# Allegro board RK_EVB1_RK3576_LP4XD200P132SD6_V12_20240530YWQ.brd (continued)
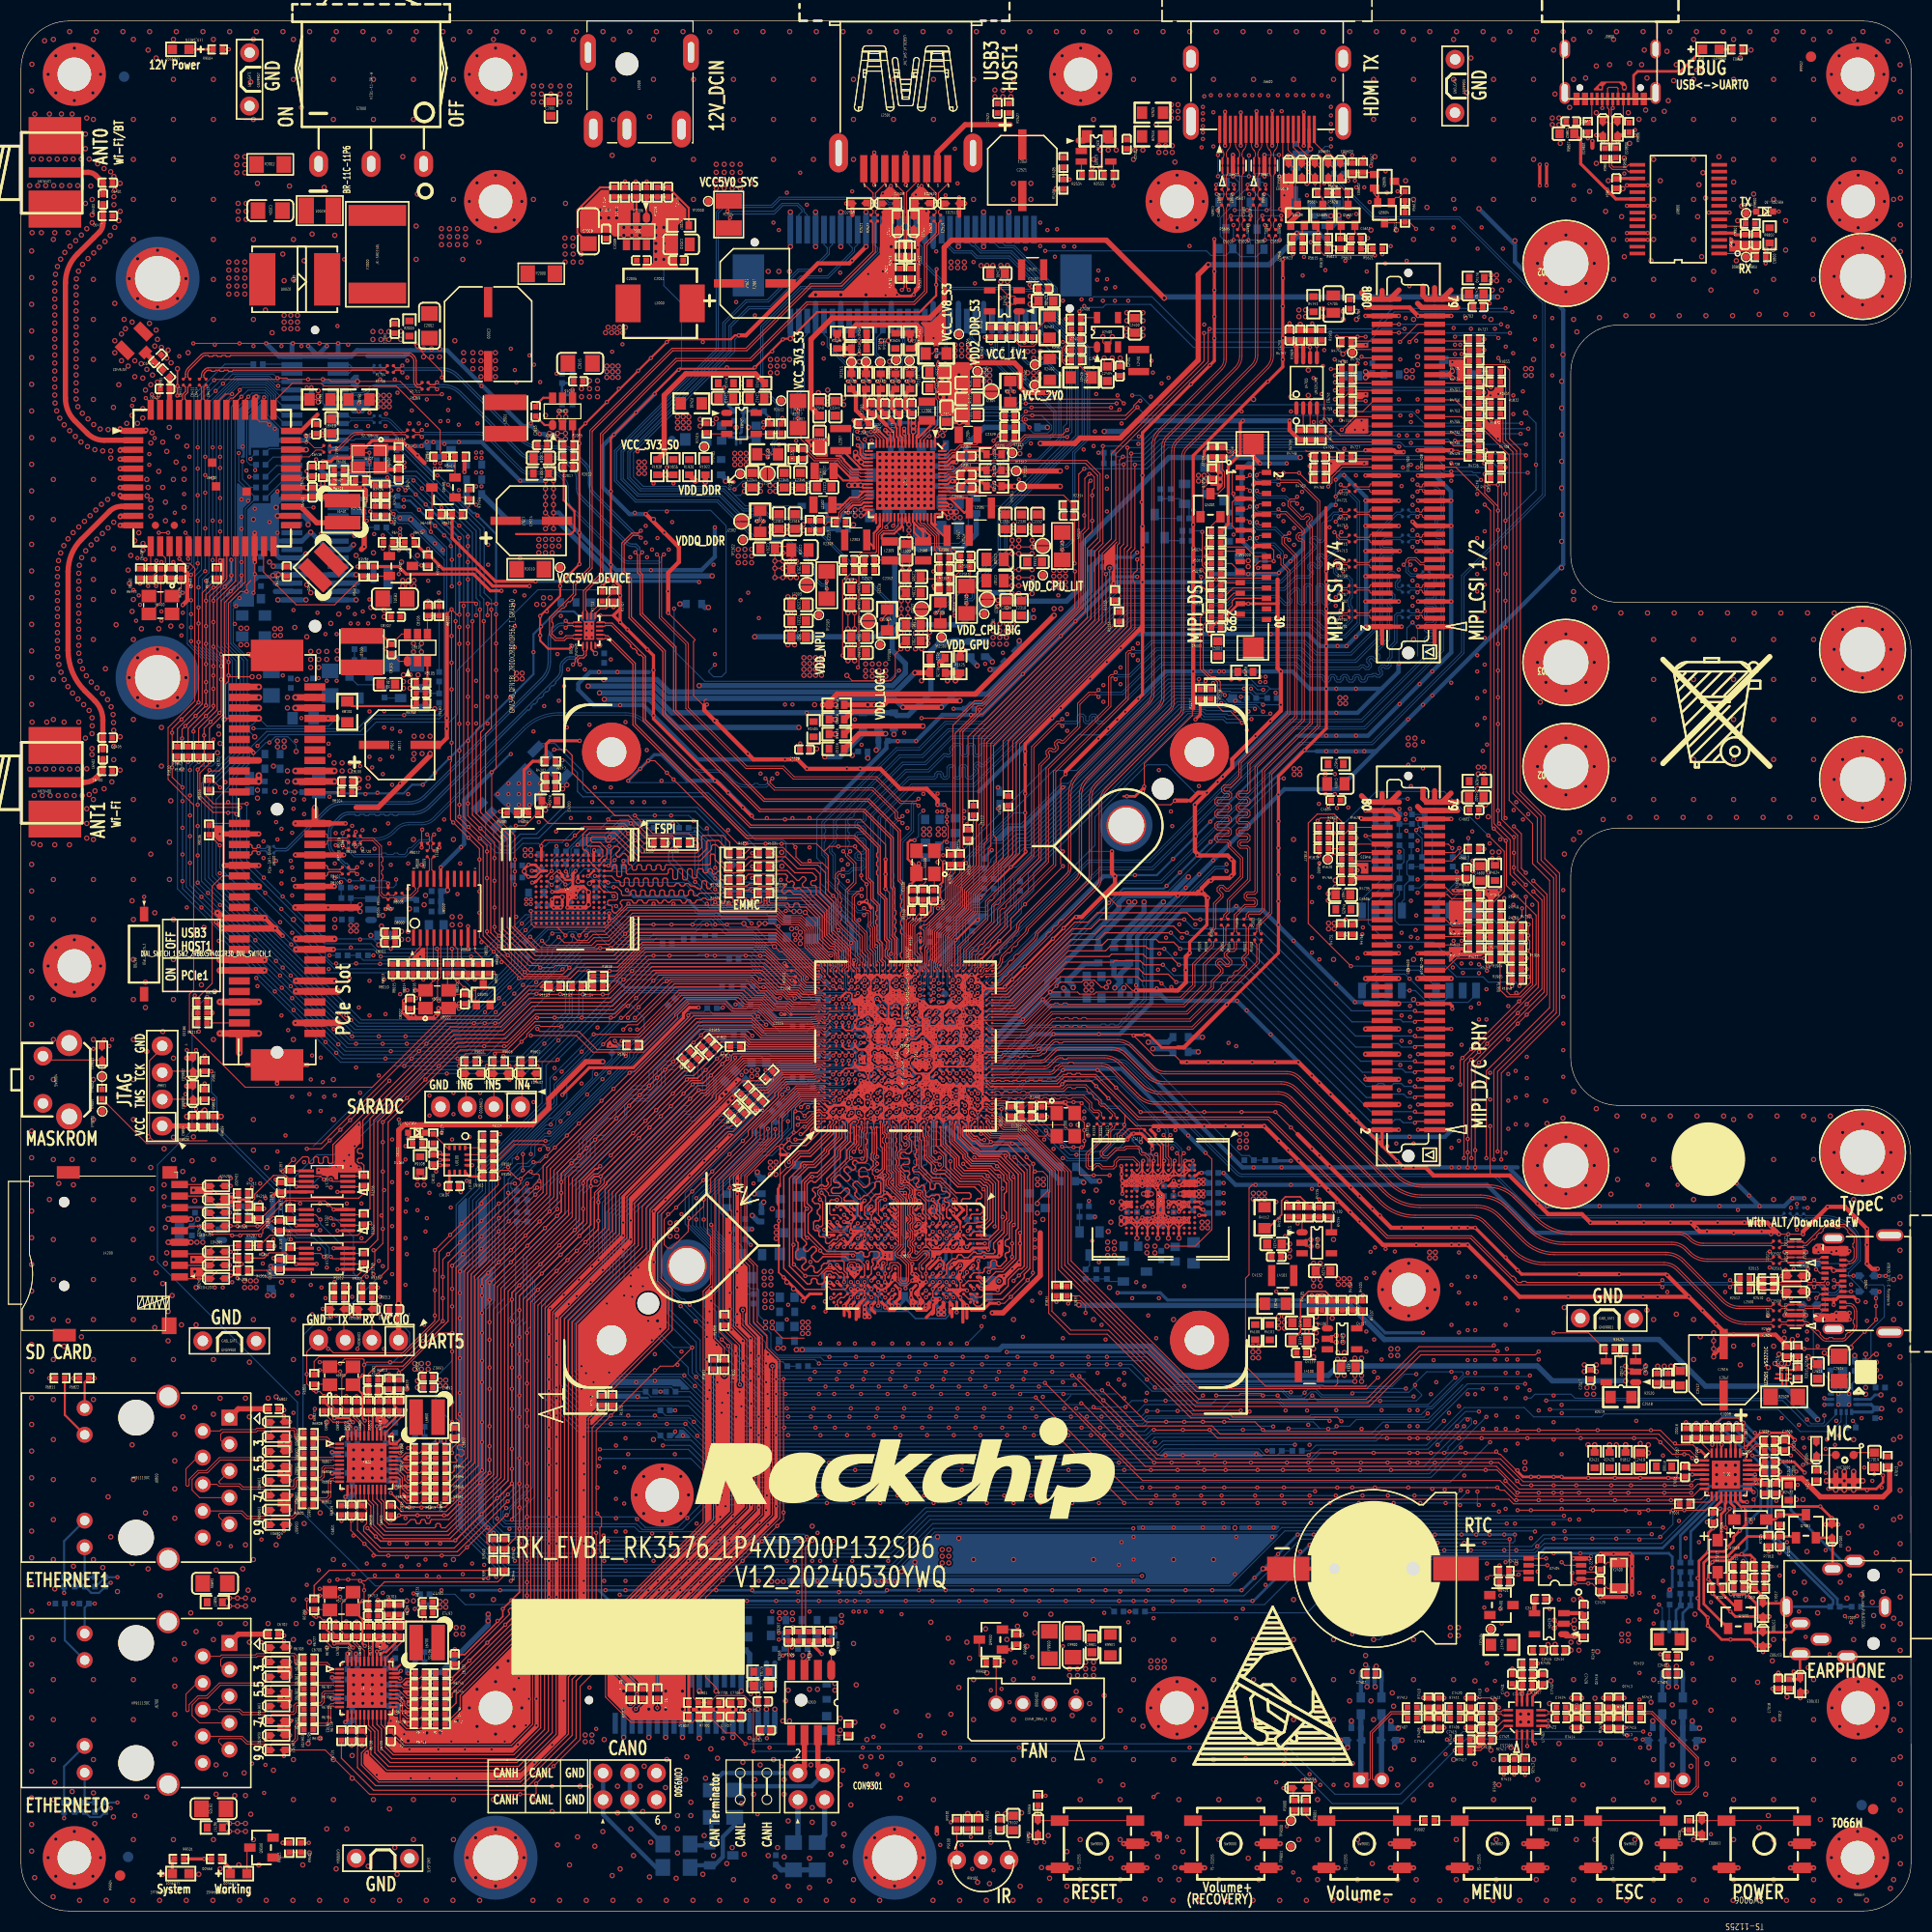
[diagram p0: board, top side]
## Copper pours and planes (outline as drawn; the poured copper is in the pictures) (continued)
N26170702 on BOTTOM: 138.66,145.68 138.85,145.87 138.85,146.76 138.72,146.88 135.17,146.88 134.91,146.63 134.91,145.87 135.11,145.68
N26170709 on TOP: 128.82,146.5 128.56,146.5 128.18,146.88 127.93,146.88 127.8,146.76 127.8,145.87 127.93,145.74 128.31,145.74 128.69,146.12 128.95,146.12 128.95,146.38
N26170709 on BOTTOM: 127.04,146.88 126.91,146.76 126.91,145.74 127.04,145.61 129.96,145.61 130.22,145.87 130.22,146.76 130.09,146.88
N26170720 on TOP: 122.72,153.23 122.66,153.3 122.66,155.33 122.98,155.65 131.1,155.65 131.61,155.14 131.61,153.49 131.36,153.23
N27236908 on TOP: 133.01,104.44 138.09,104.44 138.22,104.56 138.22,105.17 138.25,105.2 138.25,105.51 138.34,105.61 138.34,108.02 138.25,108.12 133.52,108.12 132.63,107.23 132.63,104.82
N27236922 on TOP: 140.76,97.55 141.01,97.8 141.01,98.44 140.76,98.69 136,98.69 135.93,98.62 135.93,97.73 136.12,97.55
N27236930 on TOP: 126.53,98.57 126.41,98.44 126.41,97.55 126.15,97.3 126.15,95.01 126.41,94.76 127.42,94.76 127.45,94.78 127.77,94.78 128.31,95.32 128.31,98.37 128.11,98.57
N27236940 on TOP: 125.52,105.32 125.52,109.61 126.02,110.12 128.72,110.12 131.44,107.4 131.44,105.4 131.36,105.32
N27729459 on BOTTOM: 27.22,116.53 27.47,116.78 30.01,116.78 30.65,116.15 32.68,116.15 32.81,116.02 32.81,114.5 32.43,114.12 29.12,114.12 28.87,113.86 28.87,113.23 28.62,112.97 27.35,112.97 27.22,113.1
N27729517 on TOP: 30.39,120.59 34.58,120.59 34.84,120.34 36.49,120.34 37.12,120.98 37.12,121.99 36.87,122.25 30.39,122.25
N27729534 on TOP: 36.36,120.09 34.97,120.09 34.84,119.96 34.84,118.69 34.97,118.56 37,118.56 37.12,118.69 37.12,119.32
N28026868 on TOP: 174.28,43 178.09,43 178.09,44.01 177.97,44.14 174.54,44.14 174.16,43.76 174.16,43.12
N28185504 on TOP: 104.18,148.41 104.18,149.55 104.31,149.68 105.19,149.68 105.26,149.66 105.32,149.66 105.39,149.66 105.45,149.68 106.72,149.68 106.79,149.66 106.85,149.66 106.91,149.66 106.98,149.68 107.48,149.68 107.61,149.55 107.61,148.41 107.48,148.28 104.82,148.28 104.75,148.3 104.69,148.3 104.63,148.3 104.56,148.28 104.31,148.28
N28229320 on TOP: 58.33,159.2 58.8,159.2 58.84,159.19 58.84,158.19 58.97,158.06 58.97,156.82 58.97,151.33 56.3,151.33 56.17,151.46 56.17,156.03 58.33,158.19
N28229378 on TOP: 59.83,159.2 59.98,159.2 59.98,157.04 59.86,156.92 59.22,156.92 59.22,159.2 59.57,159.2 59.63,159.19 59.7,159.18 59.76,159.19
N28240818 on TOP: 44.11,144.72 44.49,145.11 50.46,145.11 50.97,144.6 50.97,143.58 50.33,142.95 49.27,142.95 48.51,142.95 44.11,142.95
N28250025 on TOP: 97.2,25.6 104.18,25.6 104.43,25.85 104.43,26.87 103.93,27.38 97.07,27.38 96.94,27.25 96.94,25.85
N28250035 on TOP: 98.72,24.96 97.32,24.96 96.94,24.58 96.94,19.5 97.45,18.99 98.85,18.99 99.1,19.25 99.1,24.58
N29797152 on TOP: 119.17,55.32 117.26,55.32 117.13,55.44 117.13,56.33 117.71,56.9 117.71,58.17 118.02,58.49 119.29,58.49 119.36,58.43 119.36,55.51
N29797202 on TOP: 123.36,50.36 123.36,52.4 123.48,52.52 123.74,52.52 123.87,52.65 123.87,53.67 123.99,53.79 125.01,53.79 125.01,50.49 124.88,50.36
N29797204 on TOP: 121.71,54.81 121.83,54.68 121.83,52.65 122.09,52.4 122.09,50.36 120.56,50.36 118.53,52.4 118.53,54.68 118.66,54.81
N29797482 on TOP: 121.45,62.94 122.47,62.94 122.6,62.81 122.6,59.89 122.21,59.51 120.82,59.51 120.82,61.54 120.83,61.55 120.95,61.64 121.03,61.76 121.33,62.05 121.33,62.81
N31011189 on BOTTOM: 22.27,124.02 20.36,124.02 20.23,123.9 20.23,123.01 20.49,122.75 23.79,122.75 24.04,123.01 24.04,124.91 24.3,125.17 24.42,125.17 24.55,125.29 24.55,126.56 24.42,126.69 22.77,126.69 22.39,126.31 22.39,124.15
N31011623 on BOTTOM: 33.7,125.29 34.58,124.4 35.22,124.4 35.47,124.66 35.47,126.82 35.22,127.07 33.19,127.07 32.93,126.82 31.79,126.82 31.66,126.69 31.66,125.42 31.79,125.29
N31432371 on TOP: 33.7,138.37 35.09,138.37 35.22,138.5 35.22,138.76 35.47,139.01 36.24,139.01 36.36,139.14 36.36,139.52 36.24,139.64 33.7,139.64
N33161409 on TOP: 122.09,149.93 120.56,149.93 120.56,149.3 121.07,148.79 122.09,148.79 122.21,148.92 122.21,149.8
GND on TOP (solid shape): 38.5,90.67 37.36,90.67 37.26,90.73 37.29,90.84 38.17,91.73 38.5,91.73
GND on TOP (solid shape): 135.99,93.63 136.05,93.72 136.16,93.7 136.26,93.6 137.46,93.6 137.46,92.98 135.99,92.98
GND on TOP (solid shape): 36.29,39.77 36.35,39.86 36.46,39.84 36.69,39.61 37.86,39.61 37.86,39.02 36.79,39.02 36.29,39.52
GND on TOP (solid shape): 36.29,18.31 36.35,18.4 36.46,18.38 36.69,18.15 37.86,18.15 37.86,17.55 36.79,17.55 36.29,18.06
GND on TOP (solid shape): 55.53,47.69 55.63,47.62 55.6,47.51 54.39,46.3 54.28,46.28 54.22,46.37 54.22,46.82 55.09,47.69
GND on TOP (solid shape): 34.7,47.1 34.76,46.91 34.92,46.78 34.98,46.7 34.95,46.61 34.69,46.34 34.42,46.34 34.38,46.3 34.29,46.27 34.22,46.33 34.06,46.49 33.84,46.52 33.76,46.54 33.73,46.62 33.73,46.95 33.93,47.15 34.7,47.15
GND on TOP (solid shape): 34.7,25.64 34.76,25.44 34.92,25.31 34.98,25.24 34.95,25.15 34.69,24.88 34.42,24.88 34.38,24.84 34.29,24.81 34.22,24.87 34.06,25.02 33.84,25.06 33.76,25.08 33.73,25.16 33.73,25.49 33.93,25.69 34.7,25.69
GND on BOTTOM (solid shape): 20.3,126.27 20.41,126.29 20.47,126.19 20.47,125.95 19.7,125.17 19.59,125.15 19.52,125.24 19.52,125.49
GND on BOTTOM (solid shape): 74.55,35.16 74.58,35.05 74.48,34.99 64.05,34.99 63.95,35.05 63.98,35.16 64.24,35.42 74.29,35.42
GND on BOTTOM (solid shape): 91.95,95.02 92.04,94.95 92.02,94.84 91.03,93.86 90.98,93.85 90.95,93.89 90.95,93.92 90.13,93.92 90.13,94.36 90.79,95.02
GND on BOTTOM (solid shape): 118.25,43.41 118.27,43.3 118.18,43.24 108.6,43.24 108.51,43.3 108.53,43.41 108.95,43.84 117.82,43.84
GND on BOTTOM (solid shape): 119.76,36.72 119.86,36.66 119.83,36.55 119.55,36.27 116.1,36.27 116.02,36.31 116,36.4 116.01,36.5 116,36.6 116.02,36.68 116.1,36.72
GND on BOTTOM (solid shape): 63.73,45.19 63.75,45.08 63.65,45.02 62.27,45.02 62.27,45.16 62.46,45.35 62.47,45.35 62.62,45.51 62.65,45.74 62.67,45.82 62.75,45.86 63.06,45.86
GND on BOTTOM (solid shape): 115.12,36.72 115.2,36.68 115.22,36.6 115.21,36.5 115.22,36.4 115.2,36.31 115.12,36.27 106.38,36.27 106.3,36.31 106.28,36.39 106.28,36.49 106.26,36.58 106.27,36.68 106.35,36.72
GND on BOTTOM (solid shape): 88.48,75.87 88.55,75.85 88.71,75.77 88.89,75.78 88.98,75.76 89.02,75.68 89.02,75.32 88.67,75.32 88.67,74.91 88.61,74.82 88.5,74.84 88.43,74.9 88.43,75.32 87.92,75.32 87.92,75.63 87.96,75.71 88.05,75.73 88.25,75.73 88.41,75.84
GND on BOTTOM (solid shape): 83.07,77.08 83.15,77.05 83.31,76.97 83.5,76.98 83.5,76.98 83.56,76.98 83.56,76.89 83.71,76.75 83.65,76.69 83.6,76.62 83.57,76.54 83.53,76.47 83.45,76.46 83.27,76.44 83.12,76.34 83.05,76.31 82.97,76.33 82.77,76.42 82.55,76.36 82.45,76.36 82.39,76.45 82.39,76.66 82.61,76.88 82.64,76.87 82.84,76.9 82.99,77.03
GND on BOTTOM (solid shape): 91.84,83.63 91.91,83.59 91.94,83.54 91.98,83.5 92.01,83.41 91.95,83.33 91.79,83.18 91.74,82.96 91.74,82.94 91.35,82.55 91.22,82.55 91.15,82.59 91.12,82.67 91.06,82.98 90.78,83.12 90.75,83.12 90.72,83.2 90.66,83.27 90.63,83.34 90.66,83.42 90.67,83.42 90.74,83.45 90.81,83.42 91.11,83.32 91.37,83.5 91.4,83.5 91.48,83.57 91.5,83.57 91.64,83.56 91.77,83.62

Small or netless copper shapes (teardrops, artwork), in the pictures only: 22 on TOP, 5 on BOTTOM

## Text on the board
Ref Des/Assembly Bottom: LINE TO EDGE
Ref Des/Silkscreen Bottom: VCC_1V8_S0 | EMMC | FSPI | LP4 | MIPI CAM | DCPHY HDMI | DPHY HDMI | ALL OFF | ALL ON | DEFAULT | MIPI RX | LP4X | AUDIO MicArray | POWER TEST | SPKL | SPKR | SDIO/PCIe Wi-Fi EXT Board CON
Ref Des/Silkscreen Top: 12V Power | System | USB3 | HOST1 | PCIe1 | Working | GND | TX | RX | VCCIO | IN6 | IN5 | CANH | IN4 | CANL | VCC5V0_DEVICE | VCC_3V3_S0 | FSPI | VDDQ_DDR | VDD_DDR | VCC5V0_SYS | EMMC | VDD_GPU | VDD_CPU_BIG | VCC_1V1 | VCC_2V0 | VDD_CPU_LIT | USB<->UART0 | With ALT/DownLoad FW | Wi-Fi | Wi-Fi/BT | TCK | TMS | VCC | OFF | ON | CAN Terminator | VCC_3V3_S3 | VDD_NPU | VDD_LOGIC | VCC_1V8_S3 | VDD2_DDR_S3 | (RECOVERY) | Volume+ | MASKROM | SD CARD | ETHERNET1 | ETHERNET0 | SARADC | UART5 | CAN0 | IR | FAN | RESET | Volume- | RTC | MENU | ESC | DEBUG | POWER | EARPHONE | MIC | TypeC | ANT1 | ANT0 | JTAG | PCIe Slot | 12V_DCIN | MIPI_DSI | MIPI_CSI 3/4 | HDMI TX | MIPI_CSI 1/2 | MIPI_D/C PHY | RK_EVB1_RK3576_LP4XD200P132SD6 | V12_20240530YWQ
User.8: D9201 | J2501 | BAT+ | TS | BAT-
User.9: VOL+ | GND | RX | TX | 1 | BAT- | BAT+
User.13: P:= 1 1 1 1 | E:=0.5 0 0 2.54 0 1
User.21: FIGURE | SIZE | 7.874 | 11.811 | 25.591 | 33.465 | 35.039 | 35.43 | 35.433 | 39.37 | 40.157 | 59.059 | 66.9 | 110.236 | 125.984 | 133.858 | 169.291 | 31.5 | 47.24 | 51.181 | 82.677 | 86.61 | 55.11x23.618 | 59.055x27.559 | 59.059x31.5 | 66.921x23.618 | 66.929x35.429 | 78.74x23.618 | 78.74x31.488 | 86.614x23.622 | 98.421x23.618 | 106.299x35.429 | DRILL CHART: TOP to BOTTOM | ALL UNITS ARE IN MILS | TOLERANCE | +3.0/-3.0 | +0.0/-0.0 | +2.0/-2.0 | +4.0/-4.0 | PLATED | NON-PLATED | QTY | 5227 | 3216 | 2 | 4 | 3 | 26 | 22 | 12 | 8 | 15 | 6 | 1
